# Altium PCB UmTRXv2.PcbDoc (part 15 of 25) (continued)
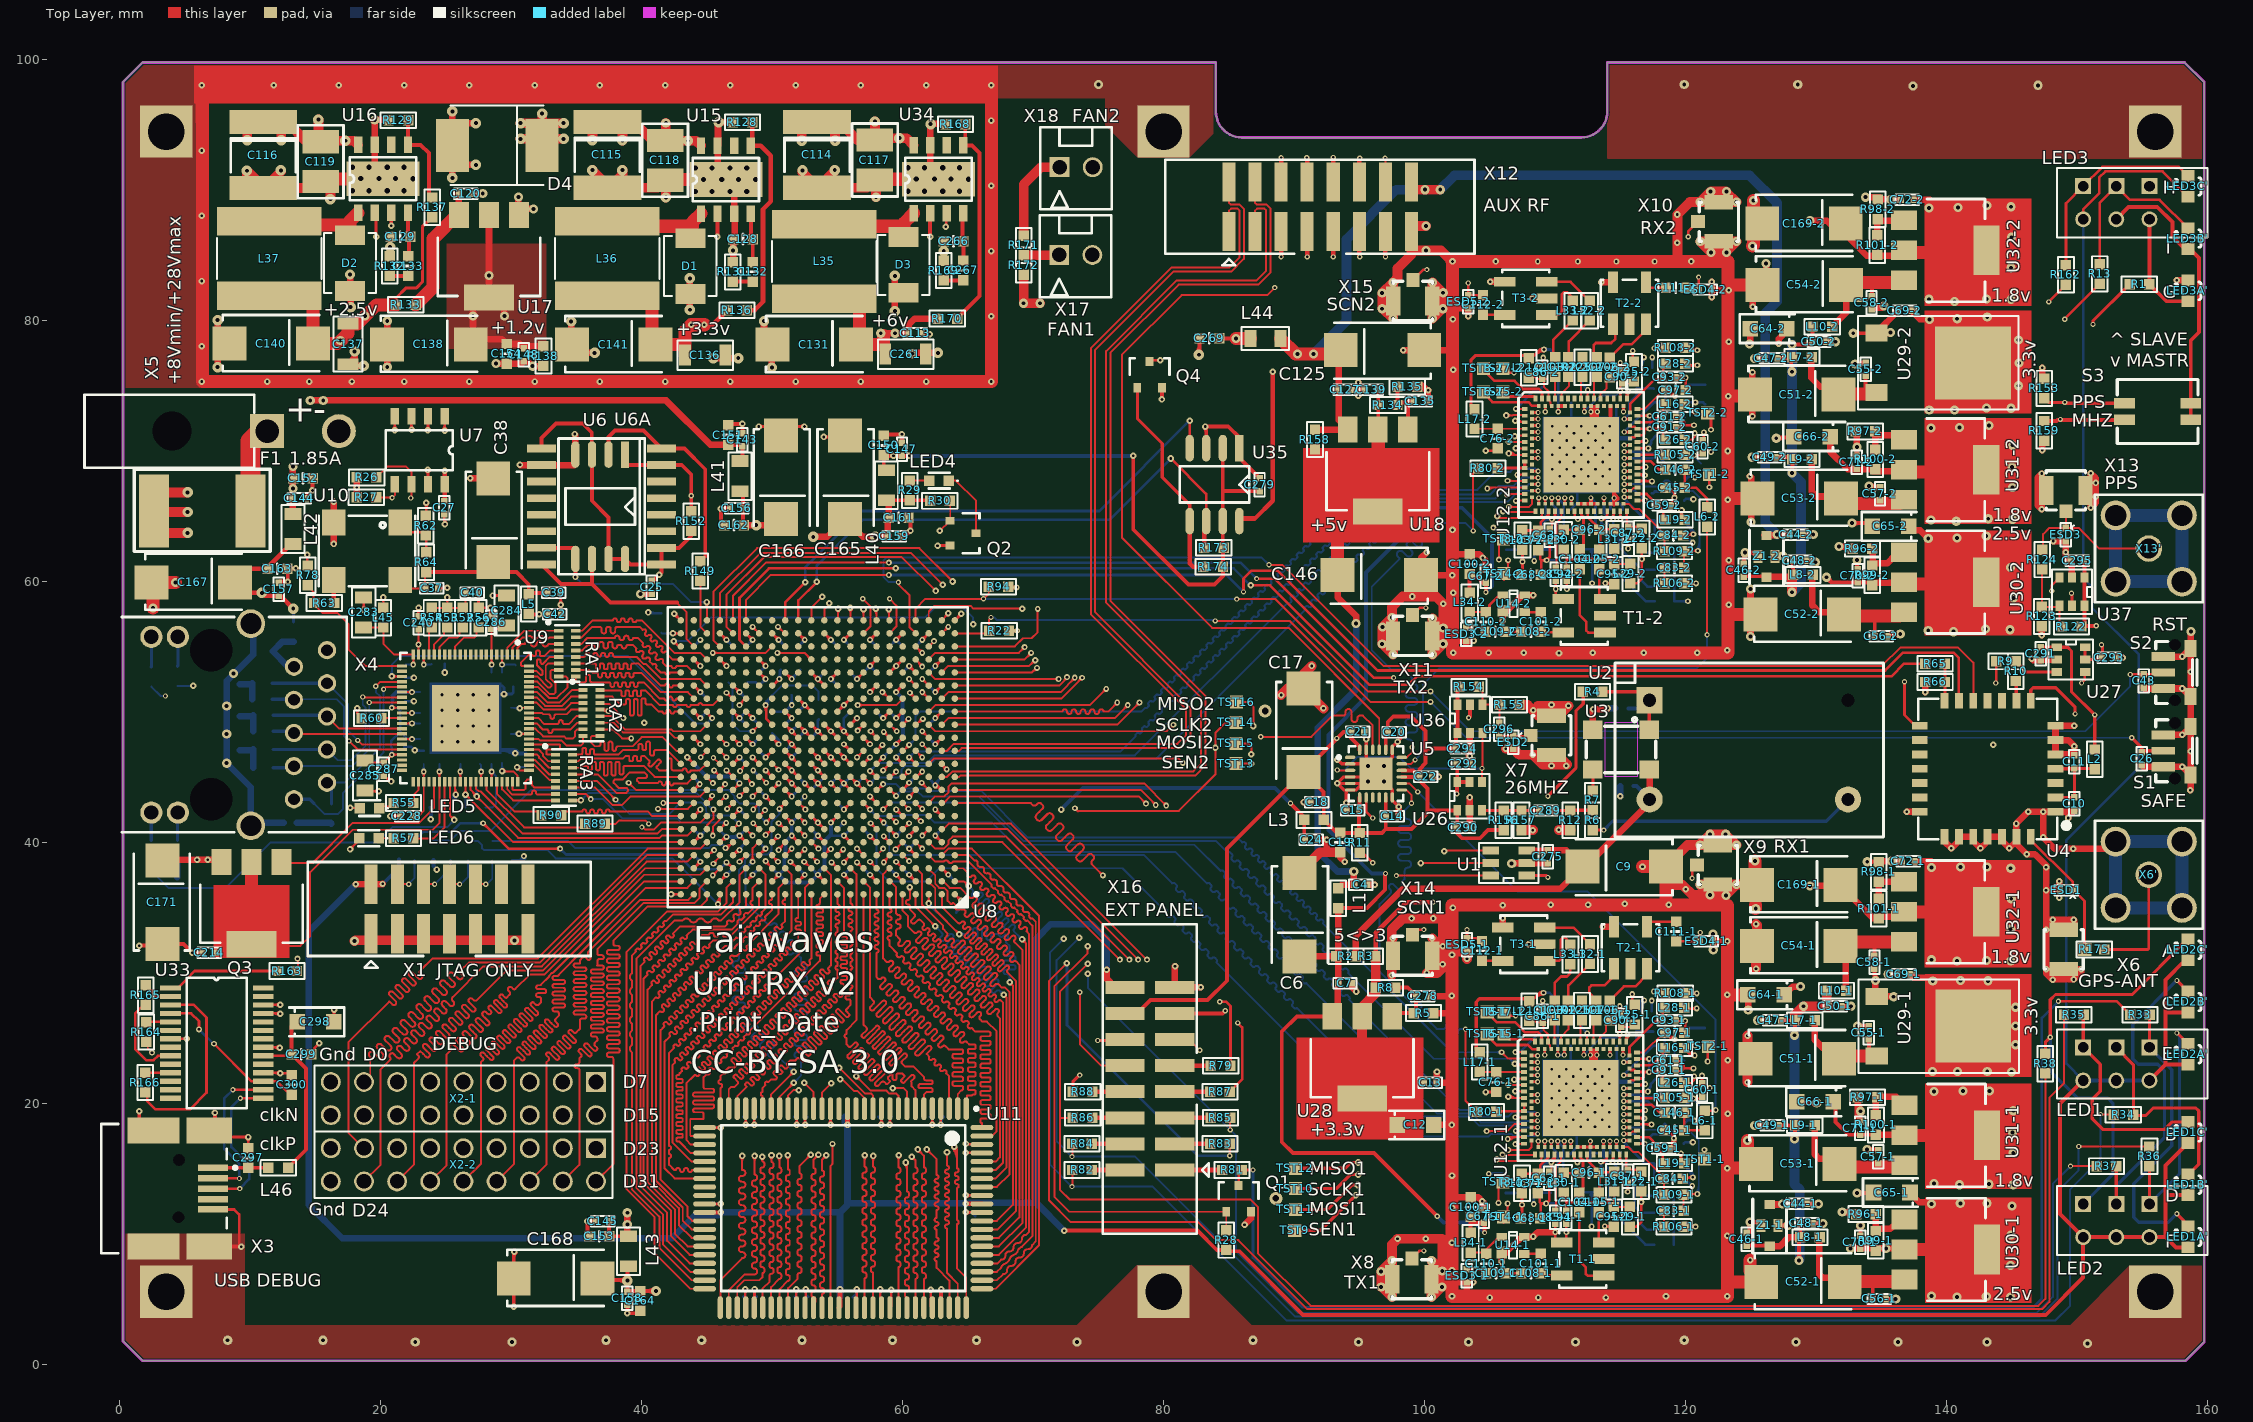
[diagram p0: Top Layer view]
## Nets (pads, with @x,y where several pads share a name; then routed paths per layer and width w, separated by ;. In a path a pad name is that pad's centre, name@x,y a point inside that pad or via, vN(x,y) a via of type N, cw(c..) or ccw(c..) an arc to the next point about the centre after c; other vN are vias at no path point) (continued)
RAM_A01: U8.C14 U11.36 | length 38.8
  Top Layer w0.15: 43.351,24.889 43.308,24.846 cw(c43.224,24.931) 43.139,24.846 43.096,24.889 ccw(c43.011,24.804) 42.927,24.889 42.884,24.846 ccw(c42.969,24.761) 42.884,24.677 42.927,24.634 cw(c42.842,24.549) 42.927,24.465 42.884,24.422 cw(c42.799,24.507) 42.714,24.422 42.672,24.464 ccw(c42.587,24.38) 42.502,24.464 42.46,24.422 ccw(c42.545,24.337) 42.46,24.252 cw(c42.439,24.231) 42.46,24.21 42.1,23.85 42.1,16.725 cw(c42.1,16.57) 42.1,16.415 42.1,16.105 cw(c42.1,15.95) 42.1,15.795 42.1,15.27 42.495,14.875 42.625,14.875 cw(c42.78,14.875) 42.935,14.875 ccw(c43.09,14.875) 43.245,14.875 cw(c43.4,14.875) 43.555,14.875 ccw(c43.71,14.875) 43.865,14.875 U11.36@44.825,14.875 ; 43.351,24.889 ccw(c43.266,24.974) 43.351,25.058 43.308,25.101 cw(c43.393,25.186) 43.308,25.27 43.351,25.313 cw(c43.436,25.228) 43.52,25.313 43.563,25.271 ccw(c43.648,25.355) 43.732,25.27 43.775,25.313 ccw(c43.69,25.398) 43.775,25.482 ; 43.775,25.483 43.754,25.504 43.733,25.525 cw(c43.817,25.61) 43.733,25.695 43.775,25.737 ; 43.775,25.737 cw(c43.86,25.652) 43.945,25.737 43.987,25.695 ccw(c44.072,25.78) 44.157,25.695 44.199,25.737 ccw(c44.114,25.822) 44.199,25.907 44.157,25.949 cw(c44.242,26.034) 44.157,26.119 44.199,26.161 cw(c44.284,26.077) 44.369,26.161 44.411,26.119 ccw(c44.496,26.204) 44.581,26.119 44.624,26.161 ccw(c44.539,26.246) 44.624,26.331 44.581,26.374 cw(c44.666,26.458) 44.581,26.543 44.624,26.586 cw(c44.708,26.501) 44.793,26.586 44.836,26.543 ccw(c44.921,26.628) 45.005,26.543 45.048,26.586 ccw(c44.963,26.671) 45.048,26.755 45.005,26.798 cw(c45.09,26.883) 45.005,26.967 ; 45.005,26.968 45.048,27.01 cw(c45.133,26.925) 45.218,27.01 45.26,26.968 ccw(c45.345,27.052) 45.43,26.967 ; 45.43,26.968 45.472,27.01 ccw(c45.387,27.095) 45.472,27.18 ; 45.472,27.18 45.451,27.201 45.43,27.222 cw(c45.515,27.307) 45.43,27.392 45.472,27.434 cw(c45.557,27.349) 45.642,27.434 45.684,27.392 ; 45.684,27.392 ccw(c45.769,27.477) 45.854,27.392 45.896,27.434 ccw(c45.812,27.519) 45.896,27.604 45.854,27.646 cw(c45.939,27.731) 45.854,27.816 45.896,27.859 cw(c45.981,27.774) 46.066,27.859 46.109,27.816 ccw(c46.193,27.901) 46.278,27.816 46.321,27.859 ccw(c46.236,27.943) 46.321,28.028 46.278,28.071 cw(c46.363,28.156) 46.278,28.24 46.321,28.283 cw(c46.405,28.198) 46.49,28.283 46.533,28.24 ccw(c46.618,28.325) 46.702,28.24 46.745,28.283 ccw(c46.66,28.368) 46.745,28.452 46.702,28.495 cw(c46.787,28.58) 46.702,28.664 ; 46.702,28.665 46.745,28.707 cw(c46.83,28.622) 46.915,28.707 46.957,28.665 ccw(c47.042,28.749) 47.127,28.664 ; 47.127,29.089 ccw(c47.212,29.004) 47.127,28.919 47.169,28.877 cw(c47.084,28.792) 47.169,28.707 47.127,28.665 ; 47.127,29.089 47.169,29.131 cw(c47.254,29.046) 47.339,29.131 47.381,29.089 ccw(c47.466,29.174) 47.551,29.089 47.593,29.131 ccw(c47.509,29.216) 47.593,29.301 47.551,29.343 cw(c47.636,29.428) 47.551,29.513 47.593,29.556 cw(c47.678,29.471) 47.763,29.556 47.806,29.513 ccw(c47.89,29.598) 47.975,29.513 48.018,29.556 ccw(c47.933,29.64) 48.018,29.725 47.975,29.768 cw(c48.06,29.853) 47.975,29.937 48.018,29.98 cw(c48.103,29.895) 48.187,29.98 ; 48.187,29.98 48.209,29.959 48.23,29.937 ccw(c48.315,30.022) 48.4,29.937 48.442,29.98 ; 48.442,29.98 ccw(c48.357,30.065) 48.442,30.15 48.4,30.192 cw(c48.484,30.277) 48.399,30.362 48.442,30.404 ; 48.442,30.404 cw(c48.527,30.319) 48.612,30.404 48.654,30.362 ccw(c48.739,30.447) 48.824,30.362 48.866,30.404 ccw(c48.781,30.489) 48.866,30.574 48.824,30.616 cw(c48.909,30.701) 48.824,30.786 48.866,30.828 cw(c48.951,30.744) 49.036,30.829 49.078,30.786 ccw(c49.163,30.871) 49.248,30.786 49.29,30.828 ccw(c49.206,30.913) 49.29,30.998 49.248,31.04 cw(c49.333,31.125) 49.248,31.21 49.29,31.253 cw(c49.375,31.168) 49.46,31.253 49.503,31.21 ccw(c49.587,31.295) 49.672,31.21 49.715,31.253 ; 49.715,31.253 ccw(c49.63,31.337) 49.715,31.422 49.672,31.465 cw(c49.757,31.55) 49.672,31.634 49.715,31.677 cw(c49.8,31.592) 49.884,31.677 49.927,31.634 ccw(c50.012,31.719) 50.096,31.634 50.139,31.677 ; 50.139,32.101 50.097,32.059 ccw(c50.181,31.974) 50.096,31.889 50.139,31.847 cw(c50.054,31.762) 50.139,31.677 ; 50.139,32.101 cw(c50.224,32.016) 50.309,32.101 50.351,32.059 ccw(c50.436,32.144) 50.521,32.059 50.563,32.101 ccw(c50.478,32.186) 50.563,32.271 50.521,32.313 cw(c50.606,32.398) 50.521,32.483 50.563,32.525 cw(c50.648,32.441) 50.733,32.526 50.775,32.483 ccw(c50.86,32.568) 50.945,32.483 50.988,32.525 ccw(c50.903,32.61) 50.988,32.695 50.966,32.716 50.945,32.738 cw(c51.03,32.822) 50.945,32.907 50.988,32.95 cw(c51.072,32.865) 51.157,32.95 ccw(c51.178,32.971) 51.2,32.95 51.5,33.25 51.5,37.5 U8.C14@51,38
RAM_A02: U8.A6 U11.100 | length 40
  Top Layer w0.15: U8.A6@59,36 59,34.9 cw(c59,34.75) 59,34.6 ccw(c59,34.45) 59,34.3 cw(c59,34.15) 59,34 ccw(c59,33.85) 59,33.7 cw(c59,33.55) 59,33.4 ccw(c59,33.25) 59,33.1 cw(c59,32.95) 59,32.8 ccw(c59,32.65) 59,32.5 59,32.05 59.584,31.466 ; 59.584,31.254 cw(c59.69,31.36) 59.584,31.466 ; 59.584,31.254 59.619,31.218 ; 59.62,31.218 ccw(c59.725,31.325) 59.832,31.218 cw(c59.938,31.112) 60.044,31.218 60.079,31.183 cw(c59.973,31.077) 60.079,30.971 ccw(c60.185,30.865) 60.079,30.759 60.114,30.723 ccw(c60.22,30.83) 60.327,30.723 cw(c60.433,30.617) 60.538,30.724 60.574,30.688 cw(c60.468,30.582) 60.574,30.476 ccw(c60.68,30.37) 60.574,30.264 60.609,30.229 ccw(c60.715,30.335) 60.821,30.229 cw(c60.928,30.122) 61.034,30.229 61.069,30.193 cw(c60.963,30.087) 61.069,29.981 ccw(c61.175,29.875) 61.069,29.769 61.104,29.734 ccw(c61.21,29.84) 61.316,29.734 cw(c61.423,29.627) 61.528,29.734 ; 61.529,29.734 61.564,29.698 ; 61.564,29.698 cw(c61.458,29.592) 61.564,29.486 ccw(c61.67,29.38) 61.564,29.274 61.599,29.239 ccw(c61.705,29.345) 61.811,29.239 cw(c61.918,29.132) 62.023,29.239 62.059,29.203 cw(c61.953,29.097) 62.059,28.991 ccw(c62.165,28.885) 62.059,28.779 62.094,28.744 ccw(c62.2,28.85) 62.306,28.744 cw(c62.412,28.638) 62.518,28.744 62.554,28.708 cw(c62.448,28.602) 62.554,28.496 ccw(c62.66,28.39) 62.554,28.284 62.589,28.249 ccw(c62.695,28.355) 62.801,28.249 cw(c62.907,28.143) 63.013,28.249 63.049,28.213 cw(c62.943,28.107) 63.049,28.001 ccw(c63.155,27.895) 63.049,27.789 63.084,27.754 ccw(c63.19,27.86) 63.296,27.754 cw(c63.402,27.648) 63.508,27.754 ; 63.508,27.754 63.544,27.718 ; 63.544,27.718 cw(c63.438,27.612) 63.544,27.506 ccw(c63.65,27.4) 63.544,27.294 63.579,27.259 ccw(c63.685,27.365) 63.791,27.259 cw(c63.897,27.153) 64.003,27.259 64.039,27.223 cw(c63.933,27.117) 64.039,27.011 ccw(c64.145,26.905) 64.039,26.799 64.074,26.764 ccw(c64.18,26.87) 64.286,26.764 cw(c64.392,26.658) 64.498,26.764 64.534,26.728 cw(c64.428,26.622) 64.534,26.516 ccw(c64.64,26.41) 64.534,26.304 64.569,26.269 ccw(c64.675,26.375) 64.781,26.269 cw(c64.887,26.163) 64.993,26.269 65.029,26.233 cw(c64.923,26.127) 65.029,26.021 ccw(c65.135,25.915) 65.029,25.809 ; 65.029,25.809 65.064,25.774 ; 65.064,25.774 ccw(c65.17,25.88) 65.276,25.774 65.575,25.475 66.618,25.475 cw(c66.618,25.352) 66.741,25.352 66.741,25.247 cw(c66.618,25.247) 66.618,25.125 66.082,25.125 ccw(c66.082,25.002) 65.959,25.002 65.959,24.897 ccw(c66.082,24.897) 66.082,24.775 66.618,24.775 cw(c66.618,24.652) 66.741,24.652 66.741,24.547 cw(c66.618,24.547) 66.618,24.425 66.082,24.425 ccw(c66.082,24.302) 65.959,24.302 65.959,24.197 ccw(c66.082,24.197) 66.082,24.075 66.618,24.075 cw(c66.618,23.952) 66.741,23.952 66.741,23.847 cw(c66.618,23.847) 66.618,23.725 66.082,23.725 ccw(c66.082,23.602) 65.959,23.602 65.959,23.497 ccw(c66.082,23.497) 66.082,23.375 66.618,23.375 cw(c66.618,23.252) 66.741,23.252 66.741,23.147 cw(c66.618,23.147) 66.618,23.025 66.082,23.025 ccw(c66.082,22.902) 65.959,22.902 65.959,22.797 ccw(c66.082,22.797) 66.082,22.675 66.618,22.675 cw(c66.618,22.552) 66.741,22.552 66.741,22.447 cw(c66.618,22.447) 66.618,22.325 66.082,22.325 ccw(c66.082,22.202) 65.959,22.202 65.959,22.097 ccw(c66.082,22.097) 66.082,21.975 66.618,21.975 cw(c66.618,21.852) 66.741,21.852 66.741,21.747 cw(c66.618,21.747) 66.618,21.625 66.082,21.625 ccw(c66.082,21.502) 65.959,21.502 65.959,21.397 ccw(c66.082,21.397) 66.082,21.275 66.618,21.275 cw(c66.618,21.152) 66.741,21.152 66.741,21.047 cw(c66.618,21.047) 66.618,20.925 66.082,20.925 ccw(c66.082,20.802) 65.959,20.802 65.959,20.697 ccw(c66.082,20.697) 66.082,20.575 66.618,20.575 cw(c66.618,20.452) 66.741,20.452 66.741,20.347 cw(c66.618,20.347) 66.618,20.225 66.082,20.225 ccw(c66.082,20.102) 65.959,20.102 65.959,19.997 ccw(c66.082,19.997) 66.082,19.875 66.618,19.875 cw(c66.618,19.752) 66.741,19.752 66.741,19.647 cw(c66.618,19.647) 66.618,19.525 66.082,19.525 ccw(c66.082,19.402) 65.959,19.402 65.959,19.297 ccw(c66.082,19.297) 66.082,19.175 66.618,19.175 cw(c66.618,19.052) 66.741,19.052 66.741,18.947 cw(c66.618,18.947) 66.618,18.825 66.082,18.825 ccw(c66.082,18.702) 65.959,18.702 65.959,18.597 ccw(c66.082,18.597) 66.082,18.475 66.082,18.132 U11.100@66.075,18.125
RAM_A03: U8.B6 U11.99 | length 40.3
  Top Layer w0.15: U8.B6@59,37 59.05,37 59.5,36.55 59.5,34.6 ccw(c59.675,34.6) 59.675,34.425 cw(c59.675,34.25) 59.85,34.25 cw(c59.675,34.25) 59.675,34.075 ccw(c59.675,33.9) 59.5,33.9 ccw(c59.675,33.9) 59.675,33.725 cw(c59.675,33.55) 59.85,33.55 cw(c59.675,33.55) 59.675,33.375 ccw(c59.675,33.2) 59.5,33.2 59.5,32.85 59.747,32.603 cw(c59.624,32.479) 59.747,32.355 59.712,32.32 ccw(c59.836,32.196) 59.712,32.072 ccw(c59.836,32.196) 59.96,32.072 60.278,32.39 cw(c60.402,32.267) 60.525,32.39 cw(c60.402,32.267) 60.525,32.143 60.207,31.825 ccw(c60.331,31.701) 60.207,31.577 ccw(c60.331,31.701) 60.455,31.577 60.614,31.736 60.773,31.895 cw(c60.897,31.772) 61.02,31.895 cw(c60.897,31.772) 61.02,31.648 60.861,31.489 60.702,31.33 ccw(c60.826,31.206) 60.702,31.082 ccw(c60.826,31.206) 60.95,31.082 61.109,31.241 61.268,31.4 cw(c61.392,31.277) 61.515,31.4 cw(c61.392,31.277) 61.515,31.153 61.197,30.835 ccw(c61.321,30.711) 61.197,30.587 ccw(c61.321,30.711) 61.445,30.587 61.604,30.746 61.763,30.905 cw(c61.886,30.782) 62.01,30.905 cw(c61.886,30.782) 62.01,30.658 61.851,30.499 61.692,30.34 ccw(c61.816,30.216) 61.692,30.092 ccw(c61.816,30.216) 61.94,30.092 62.099,30.251 62.258,30.41 cw(c62.381,30.287) 62.505,30.41 cw(c62.381,30.287) 62.505,30.163 62.187,29.845 ccw(c62.311,29.721) 62.187,29.597 ccw(c62.311,29.721) 62.434,29.597 62.753,29.916 cw(c62.876,29.792) 63,29.916 cw(c62.876,29.792) 63,29.668 62.841,29.509 62.682,29.35 ccw(c62.806,29.226) 62.682,29.102 ccw(c62.806,29.226) 62.929,29.102 63.089,29.261 63.248,29.421 cw(c63.371,29.297) 63.495,29.421 cw(c63.371,29.297) 63.495,29.173 63.336,29.014 63.177,28.855 ccw(c63.301,28.731) 63.177,28.607 ccw(c63.301,28.731) 63.424,28.607 63.743,28.926 cw(c63.866,28.802) 63.99,28.926 cw(c63.866,28.802) 63.99,28.678 63.831,28.519 63.672,28.36 ccw(c63.796,28.236) 63.672,28.112 ccw(c63.796,28.236) 63.919,28.112 64.079,28.271 64.238,28.431 cw(c64.361,28.307) 64.485,28.431 cw(c64.361,28.307) 64.485,28.183 64.326,28.024 64.167,27.865 ccw(c64.291,27.741) 64.167,27.617 ccw(c64.291,27.741) 64.414,27.617 64.733,27.936 cw(c64.856,27.812) 64.98,27.936 cw(c64.856,27.812) 64.98,27.688 64.662,27.37 ccw(c64.786,27.246) 64.662,27.122 ccw(c64.786,27.246) 64.909,27.122 65.068,27.282 65.228,27.441 cw(c65.351,27.317) 65.475,27.441 cw(c65.351,27.317) 65.475,27.193 65.316,27.034 65.157,26.875 ccw(c65.281,26.751) 65.157,26.627 ccw(c65.281,26.751) 65.404,26.627 65.563,26.787 65.723,26.946 cw(c65.846,26.822) 65.97,26.946 cw(c65.846,26.822) 65.97,26.698 65.935,26.663 ccw(c66.058,26.539) 65.935,26.415 66.1,26.25 66.45,26.25 67.2,25.5 67.2,17.85 66.825,17.475 U11.99@66.075,17.475
RAM_A04: U8.D3 U11.83 | length 39.9
  Top Layer w0.15: U8.D3@62,39 62.5,38.5 63.15,38.5 cw(c63.325,38.397) 63.5,38.5 ccw(c63.675,38.603) 63.85,38.5 65.05,38.5 66.829,36.721 ccw(c66.9,36.65) 66.829,36.58 66.935,36.474 ccw(c67.006,36.544) 67.076,36.474 67.324,36.226 ccw(c67.395,36.155) 67.324,36.085 67.43,35.979 ccw(c67.501,36.049) 67.571,35.979 67.819,35.731 ccw(c67.89,35.66) 67.819,35.59 67.925,35.484 ccw(c67.996,35.554) 68.066,35.484 68.314,35.236 ccw(c68.385,35.165) 68.314,35.095 68.42,34.989 ccw(c68.491,35.059) 68.561,34.989 68.809,34.741 ccw(c68.88,34.67) 68.809,34.6 68.915,34.494 ccw(c68.986,34.564) 69.056,34.494 69.304,34.246 ccw(c69.374,34.176) 69.304,34.105 69.41,33.999 ccw(c69.481,34.069) 69.551,33.999 69.95,33.6 69.95,9.8 69.141,8.991 ccw(c69.322,8.492) 68.823,8.673 cw(c68.323,8.854) 68.505,8.355 ccw(c68.686,7.855) 68.186,8.036 cw(c67.687,8.218) 67.868,7.718 ccw(c68.049,7.219) 67.55,7.4 67.225,7.075 U11.83@66.075,7.075
RAM_A05: U8.D1 U11.82 | length 39.9
  Top Layer w0.15: U8.D1@64,39 65.1,39 65.495,38.605 cw(c65.546,38.408) 65.743,38.357 ccw(c65.939,38.306) 65.99,38.11 cw(c66.041,37.913) 66.238,37.862 ccw(c66.434,37.811) 66.485,37.615 cw(c66.536,37.418) 66.733,37.367 ccw(c66.929,37.316) 66.98,37.12 cw(c67.031,36.923) 67.228,36.872 ccw(c67.424,36.822) 67.475,36.625 cw(c67.526,36.428) 67.723,36.377 ccw(c67.919,36.327) 67.97,36.13 cw(c68.021,35.933) 68.218,35.882 ccw(c68.414,35.832) 68.465,35.635 cw(c68.516,35.438) 68.713,35.387 ccw(c68.909,35.337) 68.96,35.14 cw(c69.011,34.943) 69.208,34.892 ccw(c69.404,34.842) 69.455,34.645 cw(c69.506,34.448) 69.703,34.397 ccw(c69.899,34.347) 69.95,34.15 70.2,33.9 70.2,9.4 69.921,9.121 cw(c69.618,9.105) 69.602,8.802 ccw(c69.587,8.5) 69.284,8.484 cw(c68.981,8.469) 68.966,8.166 ccw(c68.951,7.863) 68.648,7.848 cw(c68.345,7.832) 68.33,7.53 ccw(c68.314,7.227) 68.011,7.211 cw(c67.709,7.196) 67.693,6.893 67.225,6.425 U11.82@66.075,6.425
RAM_A06: U8.D2 U11.81 | length 40.8
  Top Layer w0.15: U8.D2@63,39 63.004,39 63.504,39.5 65.3,39.5 70.45,34.35 70.45,9.1 67.125,5.775 U11.81@66.075,5.775
RAM_A07: U8.B18 U11.50 | length 40
  Top Layer w0.15: U11.50@44.825,5.775 43.725,5.775 41,8.5 41,11.25 38.85,13.4 38.85,31.6 41.95,34.7 45.866,34.7 46.5,35.334 46.5,36.5 U8.B18@47,37
RAM_A08: U8.A18 U11.49 | length 39.7
  Top Layer w0.15: U11.49@44.825,6.425 43.825,6.425 41.35,8.9 41.35,11.3 39.25,13.4 39.25,23.9 cw(c39.427,24.175) 39.25,24.45 39.25,25 cw(c39.427,25.275) 39.25,25.55 39.25,26.1 cw(c39.427,26.375) 39.25,26.65 39.25,27.2 cw(c39.427,27.475) 39.25,27.75 39.25,28.3 cw(c39.427,28.575) 39.25,28.85 39.25,29.4 cw(c39.427,29.675) 39.25,29.95 39.25,31.3 39.556,31.606 cw(c39.627,31.677) 39.556,31.747 39.627,31.818 cw(c39.697,31.747) 39.768,31.818 ccw(c39.839,31.889) 39.91,31.818 39.98,31.889 ccw(c39.91,31.96) 39.98,32.03 cw(c40.051,32.101) 39.98,32.172 40.051,32.242 cw(c40.122,32.172) 40.192,32.242 ccw(c40.263,32.313) 40.334,32.242 40.405,32.313 ccw(c40.334,32.384) 40.405,32.455 cw(c40.475,32.525) 40.405,32.596 40.475,32.667 cw(c40.546,32.596) 40.617,32.667 ccw(c40.687,32.737) 40.758,32.667 40.829,32.737 ccw(c40.758,32.808) 40.829,32.879 cw(c40.9,32.95) 40.829,33.02 40.9,33.091 cw(c40.97,33.02) 41.041,33.091 ccw(c41.112,33.162) 41.182,33.091 41.253,33.162 ccw(c41.182,33.232) 41.253,33.303 cw(c41.324,33.374) 41.253,33.445 41.324,33.515 cw(c41.395,33.445) 41.465,33.515 ccw(c41.536,33.586) 41.607,33.515 41.677,33.586 ccw(c41.607,33.657) 41.677,33.727 cw(c41.748,33.798) 41.677,33.869 41.748,33.94 cw(c41.819,33.869) 41.89,33.94 42.4,34.45 46.05,34.45 47,35.4 U8.A18@47,36
RAM_A09: U8.C17 U11.48 | length 39.8
  Top Layer w0.15: U11.48@44.825,7.075 43.725,7.075 41.65,9.15 41.65,11.45 39.6,13.5 39.6,31.05 42.55,34 43.15,34 cw(c43.425,33.823) 43.7,34 ccw(c43.975,34.177) 44.25,34 cw(c44.525,33.823) 44.8,34 ccw(c45.075,34.177) 45.35,34 cw(c45.625,33.823) 45.9,34 46.1,34 47.5,35.4 47.5,37.5 U8.C17@48,38
RAM_A10: U8.A17 U11.47 | length 40
  Top Layer w0.15: 40.199,31.082 ccw(c40.284,30.997) 40.199,30.913 cw(c40.143,30.856) 40.199,30.799 39.9,30.5 39.9,13.65 41.95,11.6 41.95,9.45 43.675,7.725 U11.47@44.825,7.725 ; 40.199,31.082 40.242,31.125 cw(c40.327,31.04) 40.411,31.125 40.468,31.068 40.525,31.012 ccw(c40.61,31.096) 40.694,31.011 40.737,31.054 ccw(c40.652,31.139) 40.737,31.224 40.624,31.337 cw(c40.709,31.422) 40.624,31.506 ; 40.624,31.507 40.666,31.549 cw(c40.751,31.464) 40.836,31.549 40.892,31.492 40.949,31.436 ccw(c41.034,31.521) 41.119,31.436 41.161,31.478 ccw(c41.076,31.563) 41.161,31.648 41.105,31.705 41.048,31.761 cw(c41.133,31.846) 41.048,31.931 41.09,31.973 cw(c41.175,31.888) 41.26,31.973 41.317,31.917 41.373,31.86 ccw(c41.458,31.945) 41.543,31.86 41.585,31.903 ccw(c41.501,31.987) 41.585,32.072 41.529,32.129 41.472,32.185 cw(c41.557,32.27) 41.472,32.355 41.515,32.398 cw(c41.6,32.313) 41.684,32.398 41.741,32.341 41.798,32.284 ccw(c41.882,32.369) 41.967,32.284 42.01,32.327 ; 42.01,32.327 ccw(c41.925,32.412) 42.01,32.497 41.953,32.553 41.897,32.61 cw(c41.981,32.695) 41.896,32.779 41.939,32.822 cw(c42.024,32.737) 42.109,32.822 42.165,32.765 42.222,32.709 ccw(c42.307,32.794) 42.391,32.709 42.434,32.751 ; 42.434,32.751 ccw(c42.349,32.836) 42.434,32.921 cw(c42.491,32.977) 42.434,33.034 42.95,33.55 46.4,33.55 46.563,33.713 cw(c46.705,33.817) 46.81,33.96 ccw(c46.915,34.103) 47.058,34.208 cw(c47.2,34.312) 47.305,34.455 ccw(c47.41,34.598) 47.553,34.703 cw(c47.695,34.807) 47.8,34.95 48,35.15 U8.A17@48,36
RAM_A11: U8.B16 U11.46 | length 39.9
  Top Layer w0.15: 40.702,30.059 40.659,30.102 ccw(c40.574,30.017) 40.49,30.102 40.447,30.059 ccw(c40.532,29.974) 40.447,29.889 cw(c40.426,29.868) 40.447,29.847 40.15,29.55 40.15,13.85 42.25,11.75 42.25,9.8 43.675,8.375 U11.46@44.825,8.375 ; 40.702,30.059 ccw(c40.786,30.144) 40.871,30.059 40.914,30.102 ; 40.914,30.526 40.871,30.483 ccw(c40.956,30.399) 40.871,30.314 40.914,30.271 cw(c40.829,30.186) 40.914,30.102 ; 40.914,30.526 cw(c40.999,30.441) 41.083,30.526 41.126,30.483 ccw(c41.211,30.568) 41.295,30.483 41.338,30.526 ccw(c41.253,30.611) 41.338,30.695 ; 41.338,30.696 41.296,30.738 cw(c41.38,30.823) 41.295,30.907 41.338,30.95 cw(c41.423,30.865) 41.507,30.95 41.529,30.929 41.55,30.908 ccw(c41.635,30.992) 41.72,30.908 41.762,30.95 ccw(c41.677,31.035) 41.762,31.12 41.72,31.162 cw(c41.805,31.247) 41.72,31.332 41.762,31.374 ; 41.762,31.374 cw(c41.847,31.289) 41.932,31.374 41.974,31.332 ccw(c42.059,31.417) 42.144,31.332 42.186,31.374 ccw(c42.102,31.459) 42.186,31.544 42.144,31.586 cw(c42.229,31.671) 42.144,31.756 42.186,31.799 cw(c42.271,31.714) 42.356,31.799 ; 42.356,31.799 42.399,31.756 ccw(c42.483,31.841) 42.568,31.756 42.611,31.799 ; 42.611,31.799 ccw(c42.526,31.883) 42.611,31.968 42.568,32.011 cw(c42.653,32.096) 42.568,32.18 42.611,32.223 cw(c42.696,32.138) 42.78,32.223 42.823,32.18 ccw(c42.908,32.265) 42.992,32.18 43.035,32.223 ccw(c42.95,32.308) 43.035,32.393 42.993,32.435 cw(c43.077,32.52) 42.992,32.605 43.035,32.647 cw(c43.12,32.562) 43.205,32.647 43.226,32.626 43.247,32.605 ccw(c43.332,32.69) 43.417,32.605 43.459,32.647 ccw(c43.374,32.732) 43.459,32.817 cw(c43.48,32.838) 43.459,32.859 43.9,33.3 46.9,33.3 47.386,33.786 47.379,33.793 cw(c47.478,33.892) 47.379,33.991 47.429,34.041 cw(c47.528,33.942) 47.627,34.041 47.634,34.034 47.881,34.281 47.874,34.288 cw(c47.973,34.387) 47.874,34.486 47.924,34.536 cw(c48.023,34.437) 48.122,34.536 48.129,34.529 48.5,34.9 48.5,35.175 48.49,35.175 cw(c48.49,35.315) 48.35,35.315 48.35,35.385 cw(c48.49,35.385) 48.49,35.525 48.5,35.525 48.5,36.5 U8.B16@49,37
RAM_A12: U8.A16 U11.45 | length 39.8
  Top Layer w0.15: 41.269,29.236 cw(c41.185,29.321) 41.1,29.237 41.043,29.293 40.987,29.35 ccw(c40.902,29.265) 40.817,29.35 40.774,29.307 ccw(c40.859,29.222) 40.774,29.138 cw(c40.718,29.081) 40.774,29.024 40.45,28.7 40.45,13.95 42.55,11.85 42.55,10 43.525,9.025 U11.45@44.825,9.025 ; 41.269,29.237 41.312,29.279 ccw(c41.227,29.364) 41.312,29.449 41.199,29.562 cw(c41.284,29.647) 41.199,29.731 41.241,29.774 cw(c41.326,29.689) 41.411,29.774 41.467,29.717 41.524,29.661 ccw(c41.609,29.746) 41.694,29.661 41.736,29.703 ccw(c41.651,29.788) 41.736,29.873 41.68,29.93 41.623,29.986 cw(c41.708,30.071) 41.623,30.156 41.665,30.198 ; 41.666,30.198 cw(c41.75,30.113) 41.835,30.198 41.892,30.142 41.948,30.085 ccw(c42.033,30.17) 42.118,30.085 42.16,30.128 ccw(c42.076,30.212) 42.16,30.297 42.104,30.354 42.047,30.41 ; 42.047,30.411 cw(c42.132,30.495) 42.047,30.58 42.09,30.623 ; 42.09,30.623 cw(c42.175,30.538) 42.259,30.623 42.316,30.566 42.373,30.509 ccw(c42.457,30.594) 42.542,30.509 42.585,30.552 ccw(c42.5,30.637) 42.585,30.722 42.528,30.778 42.472,30.835 cw(c42.556,30.92) 42.471,31.004 42.514,31.047 ; 42.514,31.047 cw(c42.599,30.962) 42.684,31.047 42.74,30.99 42.797,30.934 ccw(c42.882,31.019) 42.966,30.934 43.009,30.976 ccw(c42.924,31.061) 43.009,31.146 42.896,31.259 cw(c42.981,31.344) 42.896,31.429 42.938,31.471 cw(c43.023,31.386) 43.108,31.471 43.165,31.415 43.221,31.358 ccw(c43.306,31.443) 43.391,31.358 ; 43.391,31.358 43.433,31.4 ccw(c43.348,31.485) 43.433,31.57 43.377,31.627 43.32,31.683 cw(c43.405,31.768) 43.32,31.853 43.362,31.895 cw(c43.447,31.81) 43.532,31.895 43.589,31.839 43.645,31.782 ccw(c43.73,31.867) 43.815,31.782 ; 43.815,31.782 43.857,31.825 ccw(c43.773,31.909) 43.858,31.994 ; 43.857,31.994 43.801,32.051 43.744,32.107 cw(c43.829,32.192) 43.744,32.277 43.787,32.32 cw(c43.872,32.235) 43.956,32.32 44.013,32.263 44.07,32.206 ccw(c44.154,32.291) 44.239,32.206 44.282,32.249 ; 44.282,32.249 ccw(c44.197,32.334) 44.282,32.419 cw(c44.338,32.475) 44.282,32.532 44.65,32.9 45.175,32.9 45.175,32.91 cw(c45.315,32.91) 45.315,33.05 45.385,33.05 cw(c45.385,32.91) 45.525,32.91 45.525,32.89 ccw(c45.665,32.89) 45.665,32.75 45.735,32.75 ccw(c45.735,32.89) 45.875,32.89 45.875,32.91 cw(c46.015,32.91) 46.015,33.05 46.085,33.05 cw(c46.085,32.91) 46.225,32.91 46.225,32.89 ccw(c46.365,32.89) 46.365,32.75 46.435,32.75 ccw(c46.435,32.89) 46.575,32.89 46.575,32.9 46.904,32.9 49,34.996 U8.A16@49,36
RAM_A13: U8.C16 U11.44 | length 39.9
  Top Layer w0.15: 42.158,29.2 42.179,29.179 42.2,29.158 cw(c42.115,29.073) 42.2,28.988 42.158,28.946 cw(c42.073,29.03) 41.988,28.946 41.946,28.988 ccw(c41.861,28.903) 41.776,28.988 41.733,28.946 ccw(c41.818,28.861) 41.733,28.776 41.776,28.733 cw(c41.691,28.649) 41.776,28.564 41.733,28.521 cw(c41.649,28.606) 41.564,28.521 41.521,28.564 ccw(c41.436,28.479) 41.352,28.564 41.309,28.521 ccw(c41.394,28.436) 41.309,28.352 41.352,28.309 cw(c41.267,28.224) 41.352,28.14 41.309,28.097 cw(c41.224,28.182) 41.139,28.097 ccw(c41.118,28.076) 41.097,28.097 40.8,27.8 40.8,13.996 42.85,11.946 42.85,10.65 43.825,9.675 U11.44@44.825,9.675 ; 42.157,29.2 cw(c42.242,29.285) 42.158,29.37 42.2,29.412 ; 42.2,29.412 cw(c42.285,29.327) 42.37,29.412 42.412,29.37 ccw(c42.497,29.455) 42.582,29.37 42.624,29.412 ; 42.624,29.836 cw(c42.709,29.752) 42.794,29.836 ; 42.624,29.836 42.582,29.794 ccw(c42.667,29.709) 42.582,29.624 42.624,29.582 cw(c42.539,29.497) 42.624,29.412 ; 42.794,29.836 42.836,29.794 ccw(c42.921,29.879) 43.006,29.794 43.049,29.836 ccw(c42.964,29.921) 43.049,30.006 ; 43.049,30.006 43.006,30.049 cw(c43.091,30.133) 43.006,30.218 43.049,30.261 ; 43.049,30.261 cw(c43.133,30.176) 43.218,30.261 43.261,30.218 ccw(c43.346,30.303) 43.43,30.218 43.473,30.261 ccw(c43.388,30.346) 43.473,30.43 43.43,30.473 cw(c43.515,30.558) 43.43,30.642 43.473,30.685 cw(c43.558,30.6) 43.643,30.685 43.685,30.643 ccw(c43.77,30.727) 43.855,30.642 43.897,30.685 ccw(c43.812,30.77) 43.897,30.855 43.876,30.876 43.855,30.897 cw(c43.94,30.982) 43.855,31.067 43.897,31.109 cw(c43.982,31.024) 44.067,31.109 44.109,31.067 ccw(c44.194,31.152) 44.279,31.067 44.321,31.109 ccw(c44.237,31.194) 44.321,31.279 44.279,31.321 cw(c44.364,31.406) 44.279,31.491 44.321,31.534 cw(c44.406,31.449) 44.491,31.534 44.534,31.491 ccw(c44.618,31.576) 44.703,31.491 44.746,31.534 ccw(c44.661,31.618) 44.746,31.703 44.703,31.746 cw(c44.788,31.831) 44.703,31.915 44.746,31.958 cw(c44.83,31.873) 44.915,31.958 44.958,31.915 ccw(c45.043,32) 45.127,31.915 45.17,31.958 ccw(c45.085,32.043) 45.17,32.127 cw(c45.191,32.149) 45.17,32.17 45.45,32.45 47,32.45 47.235,32.685 cw(c47.256,32.664) 47.277,32.685 ccw(c47.362,32.77) 47.447,32.685 47.489,32.727 ccw(c47.405,32.812) 47.489,32.897 cw(c47.511,32.918) 47.489,32.939 47.659,33.109 ; 47.659,33.109 cw(c47.68,33.088) 47.702,33.109 ccw(c47.786,33.194) 47.871,33.109 47.914,33.152 ccw(c47.829,33.236) 47.914,33.321 cw(c47.935,33.342) 47.914,33.364 48.083,33.533 cw(c48.105,33.512) 48.126,33.533 ccw(c48.211,33.618) 48.295,33.533 48.338,33.576 ccw(c48.253,33.661) 48.338,33.746 cw(c48.359,33.767) 48.338,33.788 48.508,33.958 cw(c48.529,33.936) 48.55,33.958 ccw(c48.635,34.042) 48.72,33.958 48.762,34 ccw(c48.677,34.085) 48.762,34.17 cw(c48.783,34.191) 48.762,34.212 48.932,34.382 cw(c48.953,34.361) 48.974,34.382 ccw(c49.059,34.467) 49.144,34.382 ; U8.C16@49,38 49.5,37.5 49.5,34.95 49.186,34.636 ccw(c49.208,34.615) 49.186,34.594 cw(c49.102,34.509) 49.186,34.424 49.144,34.382